# Altium PCB MLB_REV1.PcbDoc (part 2 of 3) (continued)
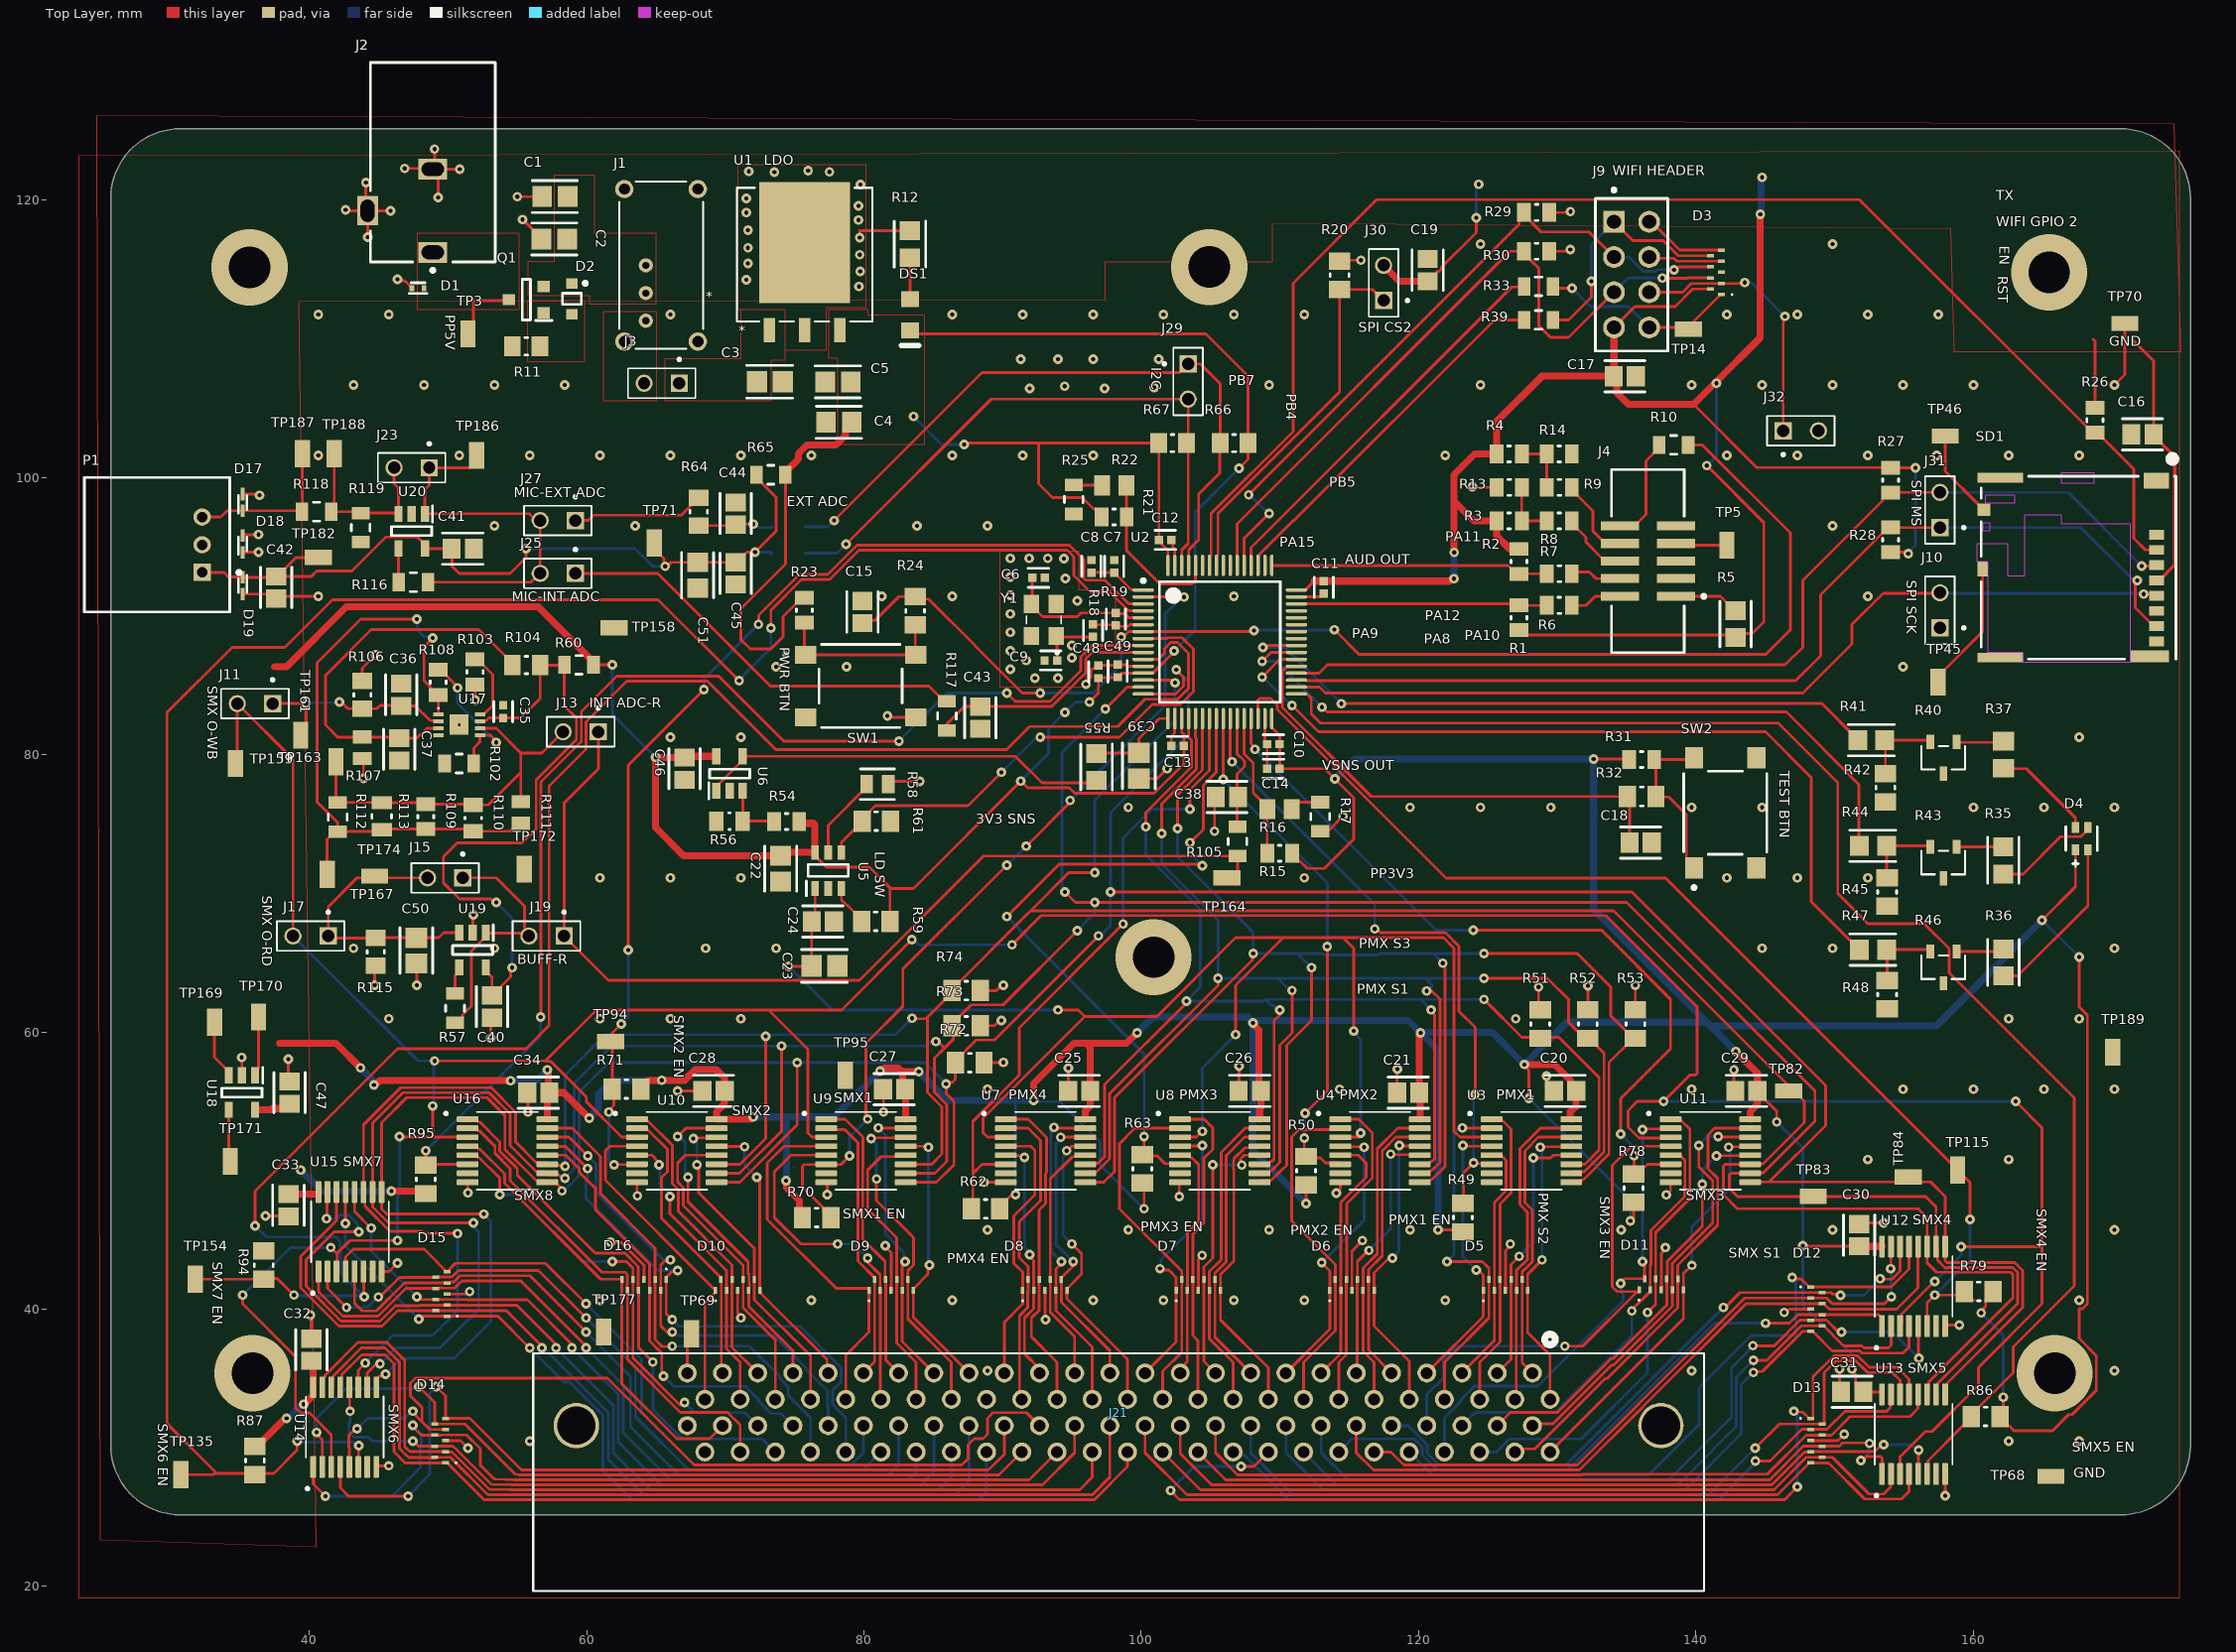
[diagram p0: Top Layer view]
## Nets (pads, with @x,y where several pads share a name; then routed paths per layer and width w, separated by ;. In a path a pad name is that pad's centre, name@x,y a point inside that pad or via, vN(x,y) a via of type N, cw(c..) or ccw(c..) an arc to the next point about the centre after c; other vN are vias at no path point) (continued)
  Bottom Layer w0.203: v1(61.849,86.487) 61.849,82.929 v1(64.955,79.823) ; v1(83.565,104.404) 85.574,102.395 v1(87.223,102.395) ; v1(90.932,48.26) 90.932,55.071 ; v1(91.313,78.105) 93.314,80.106 93.314,81.884 v1(94.488,83.058) 95.25,83.82 v1(96.266,83.82) ; v1(92.226,55.071) 92.321,54.976 94.122,54.976 97.03,52.068 97.03,50.417 v1(100.203,47.244) ; v1(102.362,87.492) 103.886,89.016 103.886,97.498 v1(107.061,100.673) ; v1(122.555,92.71) v1@122.564,92.719 ; v1@122.564,94.595 v1(122.573,94.604) ; v1(124.159,118.745) 124.159,120.984 v1(124.333,121.158) ; v1(127.95,55.206) 135.271,47.885 v1(135.271,46.372) ; v1(140.792,100.863) 141.478,101.549 v1(141.478,106.807) ; v1(144.653,118.999) v1@144.716,119.062 ; v1@144.716,121.602 v1(144.78,121.666) ; v1(145.829,53.512) 147.705,51.636 v1(147.705,44.587) 147.705,40.29 151.257,36.738 v1(151.257,35.687) ; v1(155.316,94.514) 155.316,94.605 155.829,95.118 v1(155.829,100.711) ; v1(160.574,39.732) 162.179,38.127 v1(162.179,33.655) ; v1(164.973,68.072) v1(167.64,65.405)
  Bottom Layer w0.508: v1(38.354,32.131) 38.466,32.131 39.482,33.147 v1(39.593,33.147) ; v1(39.37,50.038) 40.894,48.514 v1(45.908,48.514) ; v1(43.686,57.41) 44.641,56.455 v1(44.641,56.19) ; v1(54.508,56.49) 56.363,56.49 v1(57.15,57.277) ; v1(60.18,53.786) 60.833,54.439 60.833,55.499 61.849,56.515 v1(65.405,56.515) ; v1(72.004,53.872) 74.422,53.872 ; v1(74.375,49.271) 74.422,49.319 74.422,53.872 ; v1(81.153,57.181) 77.844,53.872 74.422,53.872 ; v1(83.947,57.15) 86.026,55.071 90.932,55.071 v1(92.226,55.071) ; v1(99.695,59.944) 100.838,61.087 107.696,61.087 108.055,60.728 v1(108.055,60.653) ; v1(111.892,47.622) 108.055,51.458 v1(108.055,60.653) ; v1(113.956,78.269) 115.38,79.693 v1(132.623,79.693) 132.623,68.85 140.766,60.706 ; v1(120.142,59.944) 121.412,58.674 v1(121.412,45.72) ; v1@122.564,92.719 v1@122.564,94.595 ; 140.97,60.452 141.02,60.452 ; v1(142.874,58.598) 141.02,60.452 ; v1@144.716,119.062 v1@144.716,121.602 ; v1(164.973,68.072) 157.353,60.452 141.02,60.452 ; v1(108.055,60.653) 108.107,60.653 108.282,60.827 119.259,60.827 120.115,59.971 125.328,59.971 v1(127.642,57.658) 130.69,60.706 140.766,60.706 ; 140.766,60.706 141.02,60.452
PP3V3_AUDIO: C41.2 C42.2 C45.1 C51.1 D19.1 P1.1 R65.1 TP71.1 TP182.1 U20.5 U21.1 | length 58.8
  Top Layer w0.203: P1.1@32.258,93.155 33.845,93.155 34.163,92.837 35.144,92.837 D19.1@35.179,92.802 C42.2@37.488,92.802 ; C42.2@37.592,92.876 C42.2@37.668,92.876 ; TP182.1@40.64,94.234 39.026,94.234 C42.2@37.668,92.876 ; v1(55.626,94.869) 55.614,94.857 55.614,94.214 55.38,93.98 55.372,93.98 54.483,93.091 50.8,93.091 50.292,93.599 50.292,94.83 C41.2@50.253,94.869 48.341,94.869 U20.5@48.321,94.889 48.321,95.164 47.767,95.718 45.522,95.718 43.064,93.26 40.521,93.26 40.137,92.876 C42.2@37.668,92.876 ; TP71.1@64.864,95.289 64.864,94.864 65.564,94.164 65.564,93.694 v1(65.659,93.599) 65.793,93.599 66.085,93.89 C51.1@67.993,93.89 C45.1@70.739,93.892 ; C45.1@70.739,93.892 70.815,93.892 71.538,94.615 v1(72.136,94.615) 73.66,96.139 73.66,98.572 72.229,100.003 R65.1@72.229,100.203
  Bottom Layer w0.203: v1(55.626,94.869) 63.5,94.869 64.77,93.599 v1(65.659,93.599) ; v1(72.136,94.615) 73.148,94.615 73.279,94.484 U21.1@73.349,94.554
PP3V3_LCD: C7.1 C8.1 U2.1 | length 4.3
  Top Layer w0.203: C8.1@96.393,93.147 C7.1@98.044,93.147 99.294,91.897 100.13,91.897 U2.1@100.139,91.888
PP3V3_PWR_MUX: C23.1 C24.1 U3.3 U4.3 U5.1 U7.3 U8.3 | length 123.3
  Top Layer w0.203: v1(74.571,64.743) 76.194,64.743 C23.1@76.221,64.77 76.221,67.965 76.463,68.208 U5.1@76.463,70.359 ; U7.3@90.221,52.41 88.896,52.41 88.582,52.724 88.582,53.784 95.919,61.121 ; v1(93.98,61.595) 95.445,61.595 95.919,61.121 ; U8.3@102.794,52.41 103.972,52.41 v1(104.394,52.832) ; v1(106.807,59.817) 106.807,63.373 110.236,66.802 ; U4.3@114.351,52.41 115.705,52.41 115.729,52.434 115.729,52.61 v1(115.824,52.705) ; v1(115.316,60.071) 115.316,66.04 114.554,66.802 ; U3.3@125.273,52.41 122.981,52.41 122.555,52.836 122.555,66.04 121.793,66.802 114.554,66.802 ; 95.919,61.121 101.126,61.121 106.807,66.802 110.236,66.802 ; 110.236,66.802 114.554,66.802
  Bottom Layer w0.203: v1(74.571,64.743) 77.719,61.595 v1(93.98,61.595) ; v1(104.394,52.832) 104.394,57.404 v1(106.807,59.817) ; v1(115.316,60.071) 115.316,59.971 115.824,59.463 v1(115.824,52.705)
PP3V3_SENSE: C35.1 C40.2 R60.1 R104.2 TP158.1 U17.7 U19.5 | length 46.4
  Top Layer w0.203: U17.7@52.3,82.419 52.348,82.467 52.749,82.467 52.944,82.662 C35.1@53.975,82.662 55.23,82.662 56.642,84.074 R104.2@56.642,86.487 56.674,86.455 58.354,86.455 R60.1@58.386,86.487 58.386,83.53 59.248,82.668 59.248,81.087 56.348,78.187 56.348,74.656 55.341,73.65 50.663,73.65 49.657,72.644 49.657,70.763 50.824,69.596 53.1,69.596 53.354,69.342 v1(53.467,69.342) ; U19.5@52.715,64.663 52.715,64.388 53.162,63.941 C40.2@53.162,62.638 53.238,62.638 53.789,63.188 53.789,63.264 54.515,63.991 54.515,64.548 v1(54.61,64.643)
  Bottom Layer w0.203: v1(53.467,69.342) 54.61,68.199 v1(54.61,64.643)
PP5V_CONN: D1.1 J2.1 Q1.3 TP3.1 | length 5.1
  Top Layer w0.203: TP3.1@51.435,110.363 51.816,110.744 51.816,112.657 51.935,112.776 54.33,112.776 Q1.3@54.396,112.842
PP5V_RVP: C1.1 C2.1 D2.1 J1.2 Q1.2
PP5V_SW1: J1.1 J3.2
PP5V_SW2: C3.1 J3.1 U1.1
PWR_MUX1_EN_L: R49.1 U2.26 U3.6 | length 47.4
  Top Layer w0.203: U2.26@106.414,82.613 106.414,79.775 106.553,79.636 v1(106.553,79.502) ; v1(116.84,67.439) v1@116.902,67.502 ; R49.1@123.19,47.634 123.25,47.694 123.25,49.844 v1(123.969,50.563) 124.021,50.512 125.221,50.512 U3.6@125.273,50.46 ; v1(124.079,55.499) 124.079,60.325 122.911,61.493 122.911,66.187 121.94,67.158 117.246,67.158 ; v1@116.902,67.502 117.246,67.158 ; v1@116.902,67.502 117.246,67.158
  Bottom Layer w0.203: v1(106.553,79.502) 116.84,69.215 v1(116.84,67.439) ; v1(123.969,50.563) 123.969,55.389 v1(124.079,55.499)
PWR_MUX1_Y0: D5.5 J21.1 U3.13 | length 21.6
  Top Layer w0.203: v1(128.778,51.689) 128.814,51.725 130.977,51.725 U3.13@131.013,51.76 ; v1(128.905,43.561) 127.868,42.524 127.868,38.317 129.481,36.704 J21.1@129.481,33.5
  Bottom Layer w0.203: v1(128.778,51.689) 128.786,51.689 128.905,51.57 v1(128.905,43.561)
PWR_MUX1_Y1: D5.6 J21.2 U3.14 | length 20.6
  Top Layer w0.203: J21.2@128.211,35.4 127.468,36.143 127.468,42.708 127.615,42.855 127.651,42.855 128.214,43.418 128.214,47.151 127.666,47.698 127.666,51.431 128.645,52.41 U3.14@131.013,52.41
PWR_MUX1_Y2: D5.4 J21.3 U3.15 | length 23
  Top Layer w0.203: J21.3@126.941,33.5 127.045,33.604 127.045,41.33 D5.4@127.068,41.354 127.068,42.811 127.468,43.211 127.504,43.211 127.858,43.565 127.858,47.003 127.31,47.551 127.31,51.578 128.792,53.06 U3.15@131.013,53.06
PWR_MUX1_Y3: D5.7 J21.4 U3.12 | length 19.4
  Top Layer w0.203: J21.4@125.671,35.4 126.668,36.397 126.668,43.229 v1(127.254,43.815) ; v1(128.27,50.927) 129.54,50.927 129.723,51.11 U3.12@131.013,51.11
  Bottom Layer w0.203: v1(127.254,43.815) 128.27,44.831 v1(128.27,50.927)
PWR_MUX1_Y4: D5.8 J21.5 U3.1 | length 22.1
  Top Layer w0.203: J21.5@124.401,33.5 124.401,36.167 125.868,37.634 D5.8@125.868,42.154 125.868,47.599 126.668,48.399 126.668,52.985 126.046,53.607 125.376,53.607 U3.1@125.273,53.71
PWR_MUX1_Y5: D5.2 J21.6 U3.5 | length 17.8
  Top Layer w0.203: J21.6@123.131,35.4 125.468,37.737 D5.2@125.468,41.354 125.468,47.702 126.312,48.546 126.312,50.74 126.046,51.007 125.376,51.007 U3.5@125.273,51.11
PWR_MUX1_Y6: D5.9 J21.7 U3.2 | length 26.4
  Top Layer w0.203: J21.7@121.861,33.5 121.861,36.167 125.068,39.374 D5.9@125.068,42.154 125.068,42.953 124.587,43.434 v1(122.047,43.434) ; v1(123.159,53.086) 123.172,53.073 125.26,53.073 U3.2@125.273,53.06
  Bottom Layer w0.203: v1(122.047,43.434) 122.557,43.944 122.557,52.714 122.929,53.086 v1(123.159,53.086)
PWR_MUX1_Y7: D5.1 J21.8 U3.4 | length 20.9
  Top Layer w0.203: J21.8@120.591,35.4 124.668,39.477 D5.1@124.668,41.354 124.668,42.464 124.666,42.464 124.3,42.83 v1(124.166,42.83) ; v1(123.19,51.806) 123.236,51.76 U3.4@125.273,51.76
  Bottom Layer w0.203: v1(123.19,51.806) 123.19,43.806 v1(124.166,42.83)
PWR_MUX2_EN_L: R50.1 U2.25 U4.6 | length 39.4
  Top Layer w0.203: v1(105.914,78.236) U2.25@105.914,82.613 ; v1(111.76,52.353) R50.1@111.76,51.054 ; v1(111.805,54.137) 113.411,55.743 v1(113.411,66.167) ; U4.6@114.351,50.46 114.248,50.563 113.28,50.563 112.917,50.927 ; R50.1@111.76,51.054 R50.1@111.887,50.927 ; R50.1@111.76,51.054 R50.1@111.887,50.927 ; R50.1@111.887,50.927 112.917,50.927 ; R50.1@111.887,50.927 112.917,50.927
  Bottom Layer w0.203: v1(105.914,78.236) 113.411,70.739 v1(113.411,66.167) ; v1(111.76,52.353) 111.783,52.375 111.783,54.115 v1(111.805,54.137)
PWR_MUX2_Y0: D6.5 J21.9 U4.13 | length 21.8
  Top Layer w0.203: v1(118.11,43.688) 117.856,43.688 116.791,42.623 D6.5@116.791,41.354 116.791,38.775 119.321,36.245 J21.9@119.321,33.5 ; v1(118.618,51.806) 118.641,51.783 120.068,51.783 U4.13@120.091,51.76
  Bottom Layer w0.203: v1(118.11,43.688) 118.587,44.165 118.587,51.775 v1(118.618,51.806)
PWR_MUX2_Y1: D6.6 J21.10 U4.14 | length 20.2
  Top Layer w0.203: J21.10@118.051,35.4 116.391,37.06 D6.6@116.391,42.154 116.391,42.858 117.379,43.846 117.379,51.431 118.358,52.41 U4.14@120.091,52.41
PWR_MUX2_Y2: D6.4 J21.11 U4.15 | length 22.5
  Top Layer w0.203: J21.11@116.781,33.5 116.781,36.167 115.991,36.957 D6.4@115.991,41.354 115.991,42.961 117.023,43.993 117.023,51.578 118.505,53.06 U4.15@120.091,53.06
PWR_MUX2_Y3: D6.7 J21.12 U4.12 | length 19
  Top Layer w0.203: J21.12@115.511,35.4 115.57,35.459 115.57,42.133 D6.7@115.591,42.154 115.591,43.455 116.379,44.243 v1(116.419,44.243) ; v1(117.983,51.181) 118.019,51.145 120.055,51.145 U4.12@120.091,51.11
  Bottom Layer w0.203: v1(116.419,44.243) 117.983,45.807 v1(117.983,51.181)
PWR_MUX2_Y4: D6.8 J21.13 U4.1 | length 22.9
  Top Layer w0.203: J21.13@114.241,33.5 114.241,36.167 114.791,36.717 114.791,42.279 114.814,42.302 114.814,47.631 116.668,49.485 116.668,52.715 115.673,53.71 U4.1@114.351,53.71
PWR_MUX2_Y5: D6.2 J21.14 U4.5 | length 18.6
  Top Layer w0.203: J21.14@112.971,35.4 114.391,36.82 D6.2@114.391,41.354 114.391,47.711 116.205,49.525 116.205,50.546 115.641,51.11 U4.5@114.351,51.11
PWR_MUX2_Y6: D6.9 J21.15 U4.2 | length 24.9
  Top Layer w0.203: J21.15@111.701,33.5 111.701,36.167 113.991,38.457 D6.9@113.991,42.154 113.991,43.235 110.846,46.38 110.846,52.426 111.377,52.957 114.248,52.957 U4.2@114.351,53.06
PWR_MUX2_Y7: D6.1 J21.16 U4.4 | length 20.8
  Top Layer w0.203: J21.16@110.431,35.4 113.591,38.56 D6.1@113.591,41.354 113.591,42.746 113.006,43.331 v1(113.006,43.366) ; U4.4@114.351,51.76 114.387,51.725 116.028,51.725 v1(116.064,51.689)
  Bottom Layer w0.203: v1(113.006,43.366) 116.064,46.424 v1(116.064,51.689)
PWR_MUX3_EN_L: R63.1 U2.24 U8.6 | length 52.8
  Top Layer w0.203: v1(90.297,68.326) 94.076,72.105 104.164,72.105 104.26,72.009 v1(104.394,72.009) ; R63.1@100.076,51.154 100.203,51.281 v1(100.203,52.456) ; U8.6@102.794,50.46 102.745,50.51 101.704,50.51 101.16,51.054 ; v1(103.505,73.66) 104.465,74.62 104.465,77.795 105.414,78.744 U2.24@105.414,82.613 ; 101.16,51.054 100.076,51.054 101.16,51.054
  Bottom Layer w0.203: v1(90.297,68.326) 100.203,58.42 v1(100.203,52.456) ; v1(103.505,73.66) 103.505,72.898 v1(104.394,72.009)
PWR_MUX3_Y0: D7.5 J21.17 U8.13 | length 21.4
  Top Layer w0.203: U8.13@108.534,51.76 108.431,51.657 107.477,51.657 106.68,50.86 106.68,50.686 106.643,50.648 106.643,50.148 106.68,50.11 106.68,43.479 105.714,42.513 D7.5@105.714,41.354 105.714,39.234 109.161,35.787 J21.17@109.161,33.5
PWR_MUX3_Y1: D7.6 J21.18 U8.14 | length 20
  Top Layer w0.203: J21.18@107.891,35.4 105.314,37.977 D7.6@105.314,42.154 105.314,42.616 106.116,43.418 106.116,51.081 107.444,52.41 U8.14@108.534,52.41
PWR_MUX3_Y2: D7.4 J21.19 U8.15 | length 22.4
  Top Layer w0.203: J21.19@106.621,33.5 106.621,36.167 104.914,37.874 D7.4@104.914,41.354 104.914,42.719 105.76,43.565 105.76,51.317 107.503,53.06 U8.15@108.534,53.06
PWR_MUX3_Y3: D7.7 J21.20 U8.12 | length 19.7
  Top Layer w0.203: v1(105.156,50.419) 105.156,43.681 104.514,43.039 D7.7@104.514,42.154 104.514,36.237 J21.20@105.351,35.4 ; v1(107.247,50.398) 107.17,50.474 107.17,50.847 107.433,51.11 U8.12@108.534,51.11
  Bottom Layer w0.203: v1(105.156,50.419) 105.167,50.408 107.236,50.408 v1(107.247,50.398)
PWR_MUX3_Y4: D7.8 J21.21 U8.1 | length 23
  Top Layer w0.203: U8.1@102.794,53.71 104.532,53.71 105.156,53.086 105.156,51.538 104.521,50.903 104.521,46.228 103.714,45.421 D7.8@103.714,42.154 103.714,38.094 104.081,37.727 J21.21@104.081,33.5
PWR_MUX3_Y5: D7.2 J21.22 U8.5 | length 17.2
  Top Layer w0.203: U8.5@102.794,51.11 103.374,51.11 103.565,50.919 103.654,50.919 104.14,50.433 104.14,46.35 103.335,45.545 103.335,42.509 103.335,41.798 103.337,41.796 103.337,41.608 103.337,41.377 D7.2@103.314,41.354 103.314,36.218 102.811,35.715 J21.22@102.811,35.4
PWR_MUX3_Y6: D7.9 J21.23 U8.2 | length 25.7
  Top Layer w0.203: J21.23@101.541,33.5 101.541,35.519 102.914,36.892 D7.9@102.914,42.154 102.914,42.755 98.425,47.244 98.425,51.943 99.542,53.06 U8.2@102.794,53.06
PWR_MUX3_Y7: D7.1 J21.24 U8.4 | length 21
  Top Layer w0.203: J21.24@100.271,35.4 102.514,37.643 D7.1@102.514,41.354 102.514,42.301 101.984,42.831 101.441,42.831 v1(101.346,42.926) ; U8.4@102.794,51.76 102.822,51.788 104.366,51.788 v1(104.394,51.816)
  Bottom Layer w0.203: v1(101.346,42.926) 101.417,42.997 101.417,43.581 104.394,46.557 v1(104.394,51.816)
PWR_MUX4_EN_L: R62.1 U2.23 U7.6 | length 49.3
  Top Layer w0.203: U7.6@90.221,50.46 88.519,50.46 87.848,49.789 ; v1(98.687,67.795) 91.186,60.293 91.186,56.891 87.848,53.553 87.848,49.789 ; v1(103.505,76.073) 103.505,77.47 104.914,78.879 U2.23@104.914,82.613 ; 87.848,49.789 87.848,47.244 87.848,49.789
  Bottom Layer w0.203: v1(98.687,67.795) 98.687,74.014 100.746,76.073 v1(103.505,76.073)
  other v1: 88.9,45.72
PWR_MUX4_Y0: D8.5 J21.25 U7.13 | length 22.5
  Top Layer w0.203: v1(94.62,51.44) 94.649,51.44 94.969,51.76 U7.13@95.961,51.76 U7.13@96.064,51.657 ; v1(94.996,44.704) 95.69,44.01 95.69,42.532 94.637,41.479 D8.5@94.637,41.354 94.637,40.745 99.001,36.381 J21.25@99.001,33.5
  Bottom Layer w0.203: v1(94.62,51.44) 94.62,51.332 94.361,51.073 94.361,45.339 v1(94.996,44.704)
PWR_MUX4_Y1: D8.6 J21.26 U7.14 | length 21.3
  Top Layer w0.203: v1(94.188,52.405) 94.213,52.43 95.941,52.43 U7.14@95.961,52.41 ; v1(95.086,43.434) 95.11,43.41 95.11,43.152 94.237,42.279 D8.6@94.237,42.154 94.237,40.51 97.731,37.016 J21.26@97.731,35.4
  Bottom Layer w0.203: v1(94.188,52.405) 94.188,52.27 93.853,51.936 93.853,44.667 v1(95.086,43.434)
PWR_MUX4_Y2: D8.4 J21.27 U7.15 | length 23.6
  Top Layer w0.203: v1(93.702,53.117) 93.745,53.073 95.948,53.073 U7.15@95.961,53.06 ; v1(94.233,43.433) 94.233,43.299 93.837,42.903 D8.4@93.837,41.354 93.837,39.894 96.461,37.27 J21.27@96.461,33.5
  Bottom Layer w0.203: v1(93.702,53.117) 93.702,52.982 93.472,52.753 93.472,44.196 v1(94.233,43.433) v1(94.233,43.433)
PWR_MUX4_Y3: D8.7 J21.28 U7.12 | length 18
  Top Layer w0.203: J21.28@95.191,35.4 95.191,38.032 93.437,39.786 D8.7@93.437,42.154 93.437,49.403 95.041,51.007 95.858,51.007 U7.12@95.961,51.11
PWR_MUX4_Y4: D8.8 J21.29 U7.1 | length 23.6
  Top Layer w0.203: U7.1@90.221,53.71 91.832,53.71 93.162,52.38 93.162,49.859 93.081,49.779 93.081,47.615 92.637,47.171 D8.8@92.637,42.154 92.614,42.13 92.614,41.899 92.604,41.889 92.604,41.721 92.616,41.709 92.616,39.911 92.075,39.37 92.075,38.013 93.921,36.167 J21.29@93.921,33.5
PWR_MUX4_Y5: D8.2 J21.30 U7.5 | length 18
  Top Layer w0.203: U7.5@90.221,51.11 90.249,51.082 91.448,51.082 91.448,51.077 v1(91.567,50.958) ; v1(91.948,43.942) 91.948,43.808 92.237,43.519 92.237,40.04 91.567,39.37 91.567,36.799 92.651,35.715 J21.30@92.651,35.4
  Bottom Layer w0.203: v1(91.567,50.958) 91.567,44.457 91.948,44.076 v1(91.948,43.942)
PWR_MUX4_Y6: D8.9 J21.31 U7.2 | length 22.8
  Top Layer w0.203: U7.2@90.221,53.06 91.847,53.06 92.726,52.181 92.726,47.831 91.186,46.291 91.186,43.723 91.837,43.072 D8.9@91.837,42.154 91.837,41.254 91.816,41.233 91.816,40.127 91.211,39.522 91.211,33.67 J21.31@91.381,33.5
PWR_MUX4_Y7: D8.1 J21.32 U7.4 | length 19.7
  Top Layer w0.203: J21.32@90.111,35.4 90.111,39.057 91.437,40.383 D8.1@91.437,41.354 91.437,42.675 90.805,43.307 90.805,46.736 92.329,48.26 92.329,51.443 92.012,51.76 U7.4@90.221,51.76
PWR_MUX_IN: R61.1 U2.8 U5.4 | length 37.8
  Top Layer w0.203: U5.4@78.363,72.959 78.363,73.687 79.218,74.541 79.33,74.541 79.853,75.065 R61.1@79.853,75.215 79.853,75.365 80.816,76.327 87.503,76.327 v1(89.916,78.74) ; v1(92.71,81.28) 98.425,81.28 100.787,83.642 102.819,83.642 103.752,84.575 103.752,87.637 102.937,88.452 101.906,88.452 101.842,88.388 U2.8@100.139,88.388
  Bottom Layer w0.203: v1(89.916,78.74) 92.456,81.28 v1(92.71,81.28)
PWR_MUX_S1: R51.2 U2.20 U3.11 U4.11 U7.11 U8.11 | length 108.3
  Top Layer w0.203: U7.11@95.961,50.46 96.031,50.53 96.876,50.53 96.997,50.651 97.006,50.651 97.358,51.003 97.358,56.21 103.251,62.103 v1(103.251,62.23) ; v1(100.33,74.803) 100.33,75.819 103.622,79.111 103.622,81.05 103.424,81.249 103.424,81.943 103.414,81.953 U2.20@103.414,82.613 ; U8.11@108.534,50.46 109.114,50.46 109.305,50.651 109.394,50.651 109.573,50.83 109.573,60.824 109.982,61.233 v1(109.982,61.584) ; U4.11@120.091,50.46 120.671,50.46 120.862,50.651 120.951,50.651 121.158,50.858 121.158,61.228 120.904,61.482 v1(120.904,61.595) ; v1(124.714,62.357) 127.453,59.618 ; U3.11@131.013,50.46 131.994,50.46 133.018,51.484 133.018,56.72 130.12,59.618 ; 127.453,59.618 130.12,59.618 ; 127.453,59.618 130.12,59.618
  Bottom Layer w0.203: v1(100.33,74.803) 100.33,72.775 104.267,68.838 104.267,63.253 103.251,62.237 v1(103.251,62.23) 108.839,62.23 108.966,62.357 ; v1(109.982,61.584) 109.848,61.584 109.481,61.951 109.372,61.951 108.966,62.357 ; v1(120.904,61.595) 120.142,62.357 ; v1(124.714,62.357) 120.142,62.357 ; 108.966,62.357 120.142,62.357
PWR_MUX_S2: R52.2 U2.21 U3.10 U4.10 U7.10 U8.10 | length 113
  Top Layer w0.203: U7.10@95.961,49.81 96.064,49.913 96.771,49.913 97.714,50.856 97.714,55.55 105.537,63.373 v1(105.537,63.881) ; v1(101.473,74.326) 101.473,76.459 103.978,78.964 103.978,81.198 103.914,81.261 U2.21@103.914,82.613 ; U8.10@108.534,49.81 109.114,49.81 109.305,50.001 109.394,50.001 109.982,50.589 109.982,59.05 110.871,59.939 v1(110.871,62.992) ; U4.10@120.091,49.81 120.671,49.81 120.862,50.001 120.951,50.001 121.539,50.589 121.539,62.362 120.94,62.961 v1(120.589,62.961) ; v1(124.714,63.881) 129.286,63.881 130.81,62.357 130.81,60.706 131.448,60.068 131.684,60.068 R52.2@132.207,59.545 ; U3.10@131.013,49.81 131.116,49.913 131.95,49.913 133.374,51.337 133.374,58.482 132.88,58.976 132.88,59.022 132.357,59.545 R52.2@132.311,59.545
  Bottom Layer w0.203: v1(101.473,74.326) 101.473,72.135 105.537,68.071 v1(105.537,63.881) 109.848,63.881 ; v1(110.871,62.992) 110.737,62.992 110.353,63.376 109.848,63.881 ; v1(120.589,62.961) 120.992,63.364 120.523,63.832 120.523,63.881 ; v1(124.714,63.881) 120.523,63.881 ; 109.848,63.881 120.523,63.881
PWR_MUX_S3: R53.2 U2.22 U3.9 U4.9 U7.9 U8.9 | length 123.5
  Top Layer w0.203: U7.9@95.961,49.16 97.293,49.16 98.069,49.937 98.069,55.27 108.008,65.209 108.008,65.59 v1(108.077,65.659) ; v1(102.616,74.676) 102.616,77.099 104.414,78.897 U2.22@104.414,82.613 ; U8.9@108.534,49.16 108.637,49.263 109.334,49.263 110.109,50.038 110.134,50.038 110.49,50.394 110.49,59.055 112.268,60.833 v1(112.268,64.643) ; U4.9@120.091,49.16 120.671,49.16 120.862,49.351 120.951,49.351 121.895,50.294 121.895,64.795 121.749,64.941 v1(121.749,64.964) ; v1(124.714,65.659) 131.445,65.659 133.858,63.246 133.858,61.173 R53.2@135.341,59.69 ; U3.9@131.013,49.16 131.593,49.16 131.784,49.351 131.891,49.351 133.729,51.19 133.729,57.788 135.486,59.545 R53.2@135.636,59.545 ; R53.2@135.341,59.69 135.636,59.69 R53.2@135.341,59.69
  Bottom Layer w0.203: v1(102.616,74.676) 102.616,72.644 108.077,67.183 v1(108.077,65.659) 111.252,65.659 ; v1(112.268,64.643) 111.252,65.659 ; v1(121.749,64.964) 121.054,65.659 ; v1(124.714,65.659) 121.054,65.659 ; 111.252,65.659 113.065,65.659 113.161,65.563 117.059,65.563 117.155,65.659 121.054,65.659
RGB_B_GATE: R46.2 R47.2 R48.2 | length 5.5
  Top Layer w0.203: R48.2@153.797,63.627 153.797,65.893 R47.2@153.749,65.941 156.777,65.941 R46.2@156.904,65.814
RGB_G_GATE: R43.2 R44.2 R45.2 | length 8
  Top Layer w0.203: R45.2@153.797,71.029 R45.2@153.749,71.077 ; R43.2@156.904,73.37 156.84,73.434 R44.2@153.749,73.434 ; R45.2@153.749,71.077 R44.2@153.749,73.434 ; R45.2@153.749,71.077 R44.2@153.749,73.434
RGB_R_GATE: R40.2 R41.2 R42.2 | length 5.9
  Top Layer w0.203: R42.2@153.67,78.55 153.67,81.006 R41.2@153.622,81.054 156.777,81.054 R40.2@156.904,80.927
SD_CS_L: R26.1 SD1.2 U2.58 | length 101
  Top Layer w0.203: U2.58@104.914,93.663 104.914,94.326 105.035,94.447 105.035,97.41 110.941,103.316 110.941,114.028 116.969,120.055 151.793,120.055 168.608,103.24 168.958,103.24 171.582,100.616 171.582,95.626 172.427,94.781 SD1.2@173.228,94.781
SENSE_BUFF_IN+: C50.1 J15.2 J17.1 R115.2 TP174.1 U19.3 | length 19.8
  Top Layer w0.203: J15.2@48.514,71.12 43.434,71.12 41.351,69.037 J17.1@41.351,66.929 41.494,66.786 R115.2@44.78,66.786 44.796,66.802 C50.1@47.701,66.802 49.316,66.802 49.677,67.163 U19.3@50.815,67.163
SENSE_BUFF_IN-: R57.1 U19.4 | length 2
  Top Layer w0.203: R57.1@50.495,62.772 50.495,64.068 50.815,64.388 U19.4@50.815,64.663
SENSE_BUFF_OUT: J15.1 J19.2 R57.2 TP172.1 U19.1 | length 20.9
  Top Layer w0.203: R57.2@50.495,60.672 50.695,60.672 51.044,61.02 51.044,61.22 51.689,61.866 51.689,65.853 52.319,66.483 52.319,66.492 52.715,66.888 U19.1@52.715,67.127 ; J15.1@51.054,71.12 53.467,71.12 55.499,69.088 55.499,67.54 55.829,67.21 J19.2@55.829,66.929 55.549,66.929 J19.2@55.35,67.127 ; U19.1@52.715,67.163 U19.1@52.715,67.127 ; U19.1@52.715,67.127 J19.2@55.35,67.127 ; U19.1@52.715,67.127 J19.2@55.35,67.127
SENSE_INA_EN: R103.2 U17.8 | length 5.1
  Top Layer w0.203: R103.2@51.943,86.879 52.118,86.879 53.213,85.784 53.213,83.566 52.614,82.967 52.348,82.967 U17.8@52.3,82.919
SENSE_INA_FG: R108.1 R109.2 R110.2 R111.2 R112.2 R113.2 TP167.1 U17.1 | length 46.9
  Top Layer w0.203: TP167.1@41.275,71.374 41.275,73.901 41.837,74.463 R112.2@42.037,74.463 ; v1(47.752,89.789) 43.693,89.789 40.538,86.634 40.538,76.602 42.037,75.104 R112.2@42.037,74.463 ; v1(48.895,88.423) 48.26,87.788 48.26,85.344 48.703,84.901 48.703,84.726 49.125,84.304 R108.1@49.3,84.304 ; R108.1@49.276,84.328 R108.1@49.3,84.304 ; U17.1@49.3,82.919 R108.1@49.3,84.304 ; R111.2@55.245,75.063 55.045,75.063 54.47,74.488 R110.2@51.816,74.488 51.666,74.638 R109.2@48.387,74.638 45.262,74.638 R113.2@45.212,74.588 45.087,74.463 R112.2@42.037,74.463
  Bottom Layer w0.203: v1(47.752,89.789) 47.779,89.762 47.779,89 48.26,88.519 48.665,88.519 48.761,88.423 v1(48.895,88.423)
SENSE_INA_OUT: J13.2 R109.1 R110.1 R111.1 R112.1 R113.1 TP163.1 U17.6 | length 28.1
  Top Layer w0.203: TP163.1@41.91,79.502 41.91,76.69 R112.1@42.037,76.563 45.187,76.563 R113.1@45.212,76.538 48.287,76.538 R109.1@48.387,76.438 51.766,76.438 R110.1@51.816,76.388 52.898,76.388 55.245,78.735 ; U17.6@52.3,81.919 53.463,81.919 55.245,80.137 ; R111.1@55.245,76.613 55.245,78.735 ; J13.2@58.293,81.661 56.769,80.137 55.245,80.137 ; 55.245,78.735 55.245,80.137
SENSE_INA_VA: C36.1 J11.1 R106.2 TP161.1 U17.2 | length 15.2
  Top Layer w0.203: J11.1@37.338,83.693 v1(39.751,83.693) 39.751,81.788 TP161.1@39.37,81.407 ; v1(42.164,83.82) 42.287,83.82 42.779,83.328 R106.2@43.815,83.328 44.847,83.328 45.085,83.566 46.57,83.566 C36.1@46.609,83.527 47.642,83.527 48.702,82.467 49.252,82.467 U17.2@49.3,82.419
  Bottom Layer w0.203: v1(39.751,83.693) 39.814,83.757 42.1,83.757 v1(42.164,83.82)
SENSE_INA_VB: C37.1 R104.1 R107.2 U17.3 | length 28.4
  Top Layer w0.203: U17.3@49.3,81.919 48.455,81.919 47.728,81.192 C37.1@46.482,81.192 46.394,81.28 R107.2@43.815,81.28 43.615,81.28 42.037,81.28 41.148,82.169 41.148,85.725 44.45,89.027 52.227,89.027 54.642,86.612 R104.1@54.642,86.487
SENSE_INA_VREF: R102.1 R108.2 U17.5 | length 10.8
  Top Layer w0.203: R108.2@49.276,86.128 49.451,86.128 50.673,84.906 v1(50.673,84.836) ; R102.1@51.85,79.375 51.85,80.484 52.3,80.934 U17.5@52.3,81.419 53.074,81.419 53.467,81.026 v1(53.467,80.899)
  Bottom Layer w0.203: v1(50.673,84.836) 50.673,83.693 v1(53.467,80.899)
SENSE_MUX1_EN_L: R70.1 U2.2 U9.6 | length 61.9
  Top Layer w0.203: R70.1@77.606,46.609 77.083,47.132 77.083,47.282 75.565,48.8 75.565,50.314 75.684,50.433 77.267,50.433 78.333,50.433 v1(78.954,51.054) ; v1(80.264,53.721) 80.137,53.848 80.137,59.182 82.804,61.849 82.804,64.547 v1(90.297,72.04) ; v1(91.694,73.406) 94.869,76.581 v1(94.869,76.708) ; U2.2@100.139,91.388 v1(103.072,91.388) v1@103.236,91.552
  Bottom Layer w0.203: v1(78.954,51.054) 78.954,52.411 v1(80.264,53.721) ; v1(90.297,72.04) 90.312,72.04 91.679,73.406 v1(91.694,73.406) ; v1(94.869,76.708) 101.727,83.566 101.727,90.177 102.745,91.195 v1@103,91.451
SENSE_MUX1_Y0: D9.5 J21.34 U9.13 | length 20.1
  Top Layer w0.203: U9.13@83.007,51.76 84.565,51.76 v1(84.639,51.686) ; v1(84.709,43.18) 84.614,43.085 84.614,42.532 83.56,41.479 D9.5@83.56,41.354 83.56,39.411 J21.34@87.571,35.4
  Bottom Layer w0.203: v1(84.639,51.686) 84.639,43.25 v1(84.709,43.18)
SENSE_MUX1_Y1: D9.6 J21.35 U9.14 | length 24.1
  Top Layer w0.203: v1(80.518,52.324) 80.561,52.367 82.964,52.367 U9.14@83.007,52.41 ; v1(80.899,49.403) 80.899,47.832 83.408,45.323 83.568,45.163 83.568,43.184 83.16,42.776 83.16,39.308 86.301,36.167 J21.35@86.301,33.5
  Bottom Layer w0.203: v1(80.518,52.324) 80.899,51.943 v1(80.899,49.403)
SENSE_MUX1_Y2: D9.4 J21.36 U9.15 | length 21.6
  Top Layer w0.203: v1(81.026,53.086) 81.039,53.073 82.994,53.073 U9.15@83.007,53.06 ; v1(82.964,43.434) 82.845,43.315 82.76,43.315 D9.4@82.76,41.354 82.76,37.671 J21.36@85.031,35.4
  Bottom Layer w0.203: v1(81.026,53.086) 81.534,52.578 81.534,45.431 82.876,44.089 82.876,43.522 v1(82.964,43.434)